# Altium PCB PrintNC_GRBLHAL_Breakout.pcbdoc (part 9 of 9)
Units mm, origin at the board's own origin, x right, y up, seen from the top; angles counter-clockwise.
Board outline 100 x 100 mm, 4 copper layers (Top Layer, GND, PWR, Bottom Layer), stack 0.603 mm thick; 296 components, 213 nets, 5829 pads, 410 vias.
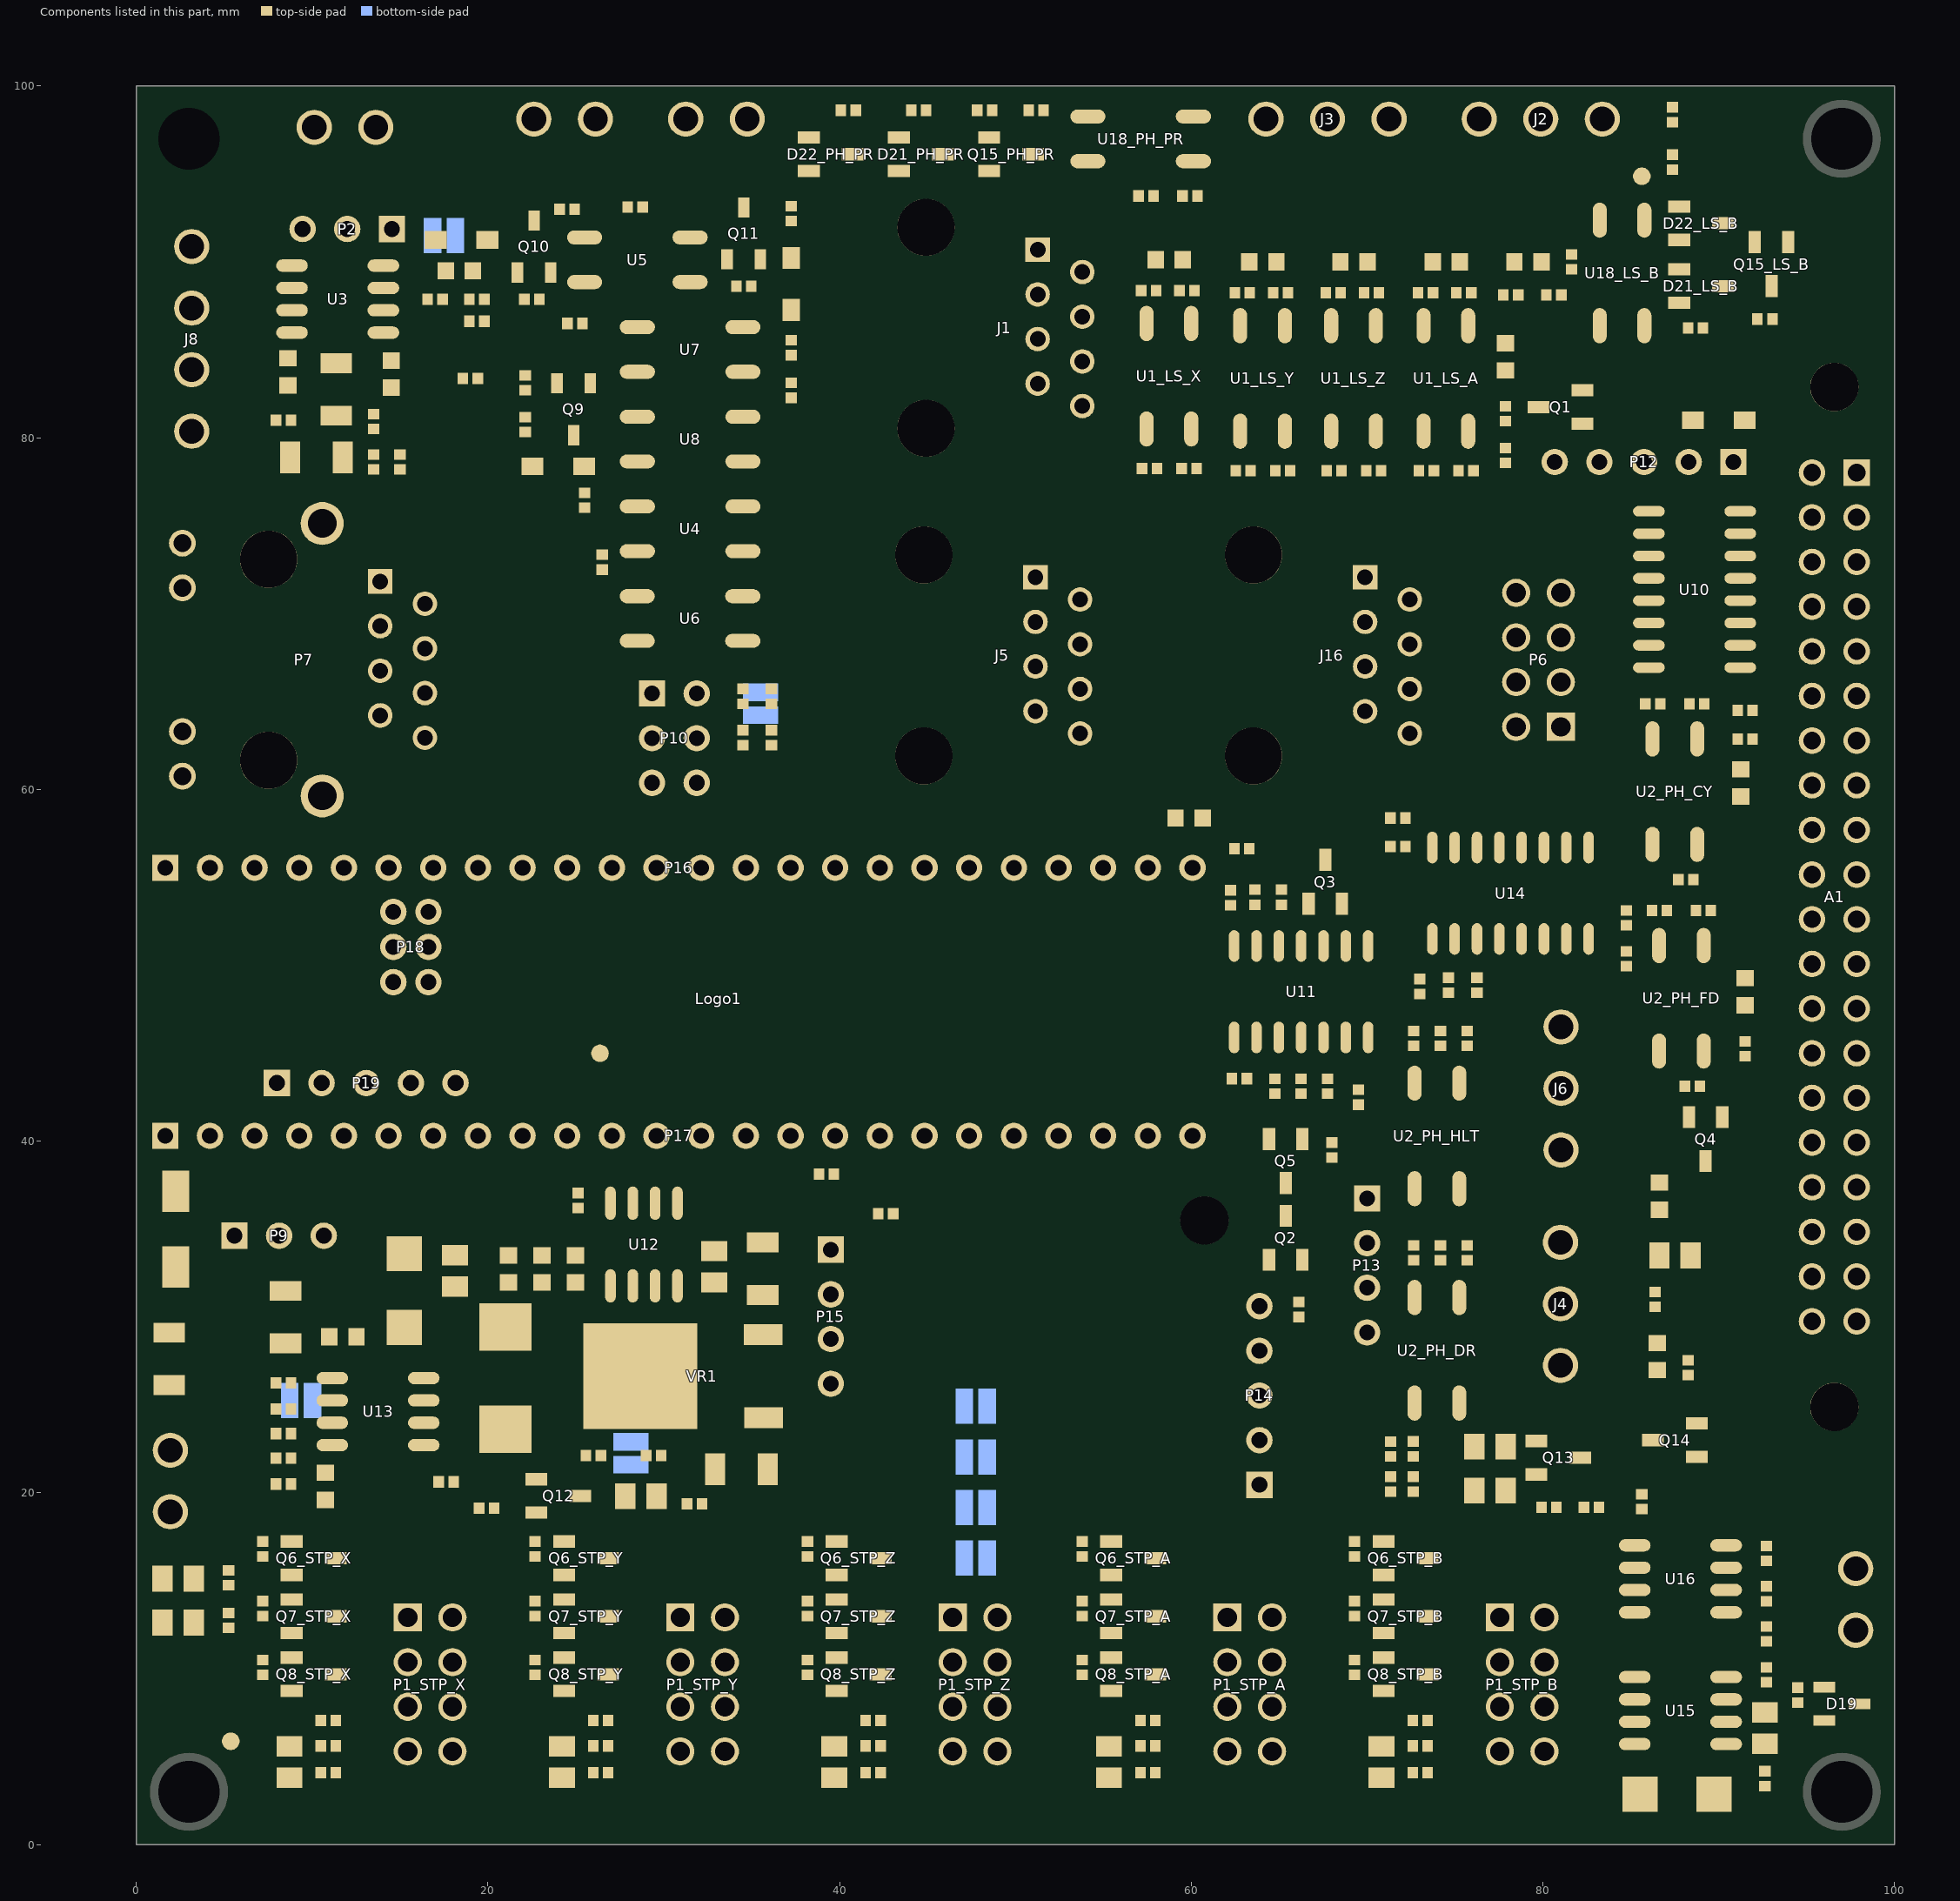
[diagram p11: the components of this part, seen from the top]

## Via types
v1: diameter 0.7, hole 0.35, Top Layer to Bottom Layer, tented both sides, 402 vias
v2: diameter 1.27, hole 0.711, Top Layer to Bottom Layer, tented both sides, 8 vias

## Nets (pads, with @x,y where several pads share a name; then routed paths per layer and width w, separated by ;. In a path a pad name is that pad's centre, name@x,y a point inside that pad or via, vN(x,y) a via of type N, cw(c..) or ccw(c..) an arc to the next point about the centre after c; other vN are vias at no path point) (continued)
pads on no net: Logo1.1_3767 Logo1.1_3768 Logo1.1_3769 Logo1.1_3770 Logo1.1_3771 Logo1.1_3772 Logo1.1_3773 Logo1.1_3774 Logo1.1_3775 Logo1.1_3776 Logo1.1_3777 Logo1.1_3778 Logo1.1_3779 Logo1.1_3780 Logo1.1_3781 Logo1.1_3782 Logo1.1_3783 Logo1.1_3784 Logo1.1_3785 Logo1.1_3786 Logo1.1_3787 Logo1.1_3788 Logo1.1_3789 Logo1.1_3790 Logo1.1_3791 Logo1.1_3792 Logo1.1_3793 Logo1.1_3794 Logo1.1_3795 Logo1.1_3796 Logo1.1_3797 Logo1.1_3798 Logo1.1_3799 Logo1.1_3800 Logo1.1_3801 Logo1.1_3802 Logo1.1_3803 Logo1.1_3804 Logo1.1_3805 Logo1.1_3806 Logo1.1_3807 Logo1.1_3808 Logo1.1_3809 Logo1.1_3810 Logo1.1_3811 Logo1.1_3812 Logo1.1_3813 Logo1.1_3814 Logo1.1_3815 Logo1.1_3816 Logo1.1_3817 Logo1.1_3818 Logo1.1_3819 Logo1.1_3820 Logo1.1_3821 Logo1.1_3822 Logo1.1_3823 Logo1.1_3824 Logo1.1_3825 Logo1.1_3826 Logo1.1_3827 Logo1.1_3828 Logo1.1_3829 Logo1.1_3830 Logo1.1_3831 Logo1.1_3832 Logo1.1_3833 Logo1.1_3834 Logo1.1_3835 Logo1.1_3836 Logo1.1_3837 Logo1.1_3838 Logo1.1_3839 Logo1.1_3840 Logo1.1_3841 Logo1.1_3842 Logo1.1_3843 Logo1.1_3844 Logo1.1_3845 Logo1.1_3846 Logo1.1_3847 Logo1.1_3848 Logo1.1_3849 Logo1.1_3850 Logo1.1_3851 Logo1.1_3852 Logo1.1_3853 Logo1.1_3854 Logo1.1_3855 Logo1.1_3856 Logo1.1_3857 Logo1.1_3858 Logo1.1_3859 Logo1.1_3860 Logo1.1_3861 Logo1.1_3862 Logo1.1_3863 Logo1.1_3864 Logo1.1_3865 Logo1.1_3866 Logo1.1_3867 Logo1.1_3868 Logo1.1_3869 Logo1.1_3870 Logo1.1_3871 Logo1.1_3872 Logo1.1_3873 Logo1.1_3874 Logo1.1_3875 Logo1.1_3876 Logo1.1_3877 Logo1.1_3878 Logo1.1_3879 Logo1.1_3880 Logo1.1_3881 Logo1.1_3882 Logo1.1_3883 Logo1.1_3884 Logo1.1_3885 Logo1.1_3886 Logo1.1_3887 Logo1.1_3888 Logo1.1_3889 Logo1.1_3890 Logo1.1_3891 Logo1.1_3892 Logo1.1_3893 Logo1.1_3894 Logo1.1_3895 Logo1.1_3896 Logo1.1_3897 Logo1.1_3898 Logo1.1_3899 Logo1.1_3900 Logo1.1_3901 Logo1.1_3902 Logo1.1_3903 Logo1.1_3904 Logo1.1_3905 Logo1.1_3906 Logo1.1_3907 Logo1.1_3908 Logo1.1_3909 Logo1.1_3910 Logo1.1_3911 Logo1.1_3912 Logo1.1_3913 Logo1.1_3914 Logo1.1_3915 Logo1.1_3916 Logo1.1_3917 Logo1.1_3918 Logo1.1_3919 Logo1.1_3920 Logo1.1_3921 Logo1.1_3922 Logo1.1_3923 Logo1.1_3924 Logo1.1_3925 Logo1.1_3926 Logo1.1_3927 Logo1.1_3928 Logo1.1_3929 Logo1.1_3930 Logo1.1_3931 Logo1.1_3932 Logo1.1_3933 Logo1.1_3934 Logo1.1_3935 Logo1.1_3936 Logo1.1_3937 Logo1.1_3938 Logo1.1_3939 Logo1.1_3940 Logo1.1_3941 Logo1.1_3942 Logo1.1_3943 Logo1.1_3944 Logo1.1_3945 Logo1.1_3946 Logo1.1_3947 Logo1.1_3948 Logo1.1_3949 Logo1.1_3950 Logo1.1_3951 Logo1.1_3952 Logo1.1_3953 Logo1.1_3954 Logo1.1_3955 Logo1.1_3956 Logo1.1_3957 Logo1.1_3958 Logo1.1_3959 Logo1.1_3960 Logo1.1_3961 Logo1.1_3962 Logo1.1_3963 Logo1.1_3964 Logo1.1_3965 Logo1.1_3966 Logo1.1_3967 Logo1.1_3968 Logo1.1_3969 Logo1.1_3970 Logo1.1_3971 Logo1.1_3972 Logo1.1_3973 Logo1.1_3974 Logo1.1_3975 Logo1.1_3976 Logo1.1_3977 Logo1.1_3978 Logo1.1_3979 Logo1.1_3980 Logo1.1_3981 Logo1.1_3982 Logo1.1_3983 Logo1.1_3984 Logo1.1_3985 Logo1.1_3986 Logo1.1_3987 Logo1.1_3988 Logo1.1_3989 Logo1.1_3990 Logo1.1_3991 Logo1.1_3992 Logo1.1_3993 Logo1.1_3994 Logo1.1_3995 Logo1.1_3996 Logo1.1_3997 Logo1.1_3998 Logo1.1_3999 Logo1.1_4000 Logo1.1_4001 Logo1.1_4002 Logo1.1_4003 Logo1.1_4004 Logo1.1_4005 Logo1.1_4006 Logo1.1_4007 Logo1.1_4008 Logo1.1_4009 Logo1.1_4010 Logo1.1_4011 Logo1.1_4012 Logo1.1_4013 Logo1.1_4014 Logo1.1_4015 Logo1.1_4016 Logo1.1_4017 Logo1.1_4018 Logo1.1_4019 Logo1.1_4020 Logo1.1_4021 Logo1.1_4022 Logo1.1_4023 Logo1.1_4024 Logo1.1_4025 Logo1.1_4026 Logo1.1_4027 Logo1.1_4028 Logo1.1_4029 Logo1.1_4030 Logo1.1_4031 Logo1.1_4032 Logo1.1_4033 Logo1.1_4034 Logo1.1_4035 Logo1.1_4036 Logo1.1_4037 Logo1.1_4038 Logo1.1_4039 Logo1.1_4040 Logo1.1_4041 Logo1.1_4042 Logo1.1_4043 Logo1.1_4044 Logo1.1_4045 Logo1.1_4046 Logo1.1_4047 Logo1.1_4048 Logo1.1_4049 Logo1.1_4050 Logo1.1_4051 Logo1.1_4052 Logo1.1_4053 Logo1.1_4054 Logo1.1_4055 Logo1.1_4056 Logo1.1_4057 Logo1.1_4058 Logo1.1_4059 Logo1.1_4060 Logo1.1_4061 Logo1.1_4062 Logo1.1_4063 Logo1.1_4064 Logo1.1_4065 Logo1.1_4066 Logo1.1_4067 Logo1.1_4068 Logo1.1_4069 Logo1.1_4070 Logo1.1_4071 Logo1.1_4072 Logo1.1_4073 Logo1.1_4074 Logo1.1_4075 Logo1.1_4076 Logo1.1_4077 Logo1.1_4078 Logo1.1_4079 Logo1.1_4080 Logo1.1_4081 Logo1.1_4082 Logo1.1_4083 Logo1.1_4084 Logo1.1_4085 Logo1.1_4086 Logo1.1_4087 Logo1.1_4088 Logo1.1_4089 Logo1.1_4090 Logo1.1_4091 Logo1.1_4092 Logo1.1_4093 Logo1.1_4094 Logo1.1_4095 Logo1.1_4096 Logo1.1_4097 Logo1.1_4098 Logo1.1_4099 Logo1.1_4100 Logo1.1_4101 Logo1.1_4102 Logo1.1_4103 Logo1.1_4104 Logo1.1_4105 Logo1.1_4106 Logo1.1_4107 Logo1.1_4108 Logo1.1_4109 Logo1.1_4110 Logo1.1_4111 Logo1.1_4112 Logo1.1_4113 Logo1.1_4114 Logo1.1_4115 Logo1.1_4116 Logo1.1_4117 Logo1.1_4118 Logo1.1_4119 Logo1.1_4120 Logo1.1_4121 Logo1.1_4122 Logo1.1_4123 Logo1.1_4124 Logo1.1_4125 Logo1.1_4126 Logo1.1_4127 Logo1.1_4128 Logo1.1_4129 Logo1.1_4130 Logo1.1_4131 Logo1.1_4132 Logo1.1_4133 Logo1.1_4134 Logo1.1_4135 Logo1.1_4136 Logo1.1_4137 Logo1.1_4138 Logo1.1_4139 Logo1.1_4140 Logo1.1_4141 Logo1.1_4142 Logo1.1_4143 Logo1.1_4144 Logo1.1_4145 Logo1.1_4146 Logo1.1_4147 Logo1.1_4148 Logo1.1_4149 Logo1.1_4150 Logo1.1_4151 Logo1.1_4152 Logo1.1_4153 Logo1.1_4154 Logo1.1_4155 Logo1.1_4156 Logo1.1_4157 Logo1.1_4158 Logo1.1_4159 Logo1.1_4160 Logo1.1_4161 Logo1.1_4162 Logo1.1_4163 Logo1.1_4164 Logo1.1_4165 Logo1.1_4166 Logo1.1_4167 Logo1.1_4168 Logo1.1_4169 Logo1.1_4170 Logo1.1_4171 Logo1.1_4172 Logo1.1_4173 Logo1.1_4174 Logo1.1_4175 Logo1.1_4176 Logo1.1_4177 Logo1.1_4178 Logo1.1_4179 Logo1.1_4180 Logo1.1_4181 Logo1.1_4182 Logo1.1_4183 Logo1.1_4184 Logo1.1_4185 Logo1.1_4186 Logo1.1_4187 Logo1.1_4188 Logo1.1_4189 Logo1.1_4190 Logo1.1_4191 Logo1.1_4192 Logo1.1_4193 Logo1.1_4194 Logo1.1_4195 Logo1.1_4196 Logo1.1_4197 Logo1.1_4198 Logo1.1_4199 Logo1.1_4200 Logo1.1_4201 Logo1.1_4202 Logo1.1_4203 Logo1.1_4204 Logo1.1_4205 Logo1.1_4206 Logo1.1_4207 Logo1.1_4208 Logo1.1_4209 Logo1.1_4210 Logo1.1_4211 Logo1.1_4212 Logo1.1_4213 Logo1.1_4214 Logo1.1_4215 Logo1.1_4216 Logo1.1_4217 Logo1.1_4218 Logo1.1_4219 Logo1.1_4220 Logo1.1_4221 Logo1.1_4222 Logo1.1_4223 Logo1.1_4224 Logo1.1_4225 Logo1.1_4226 Logo1.1_4227 Logo1.1_4228 Logo1.1_4229 Logo1.1_4230 Logo1.1_4231 Logo1.1_4232 Logo1.1_4233 Logo1.1_4234 Logo1.1_4235 Logo1.1_4236 Logo1.1_4237 Logo1.1_4238 Logo1.1_4239 Logo1.1_4240 Logo1.1_4241 Logo1.1_4242 Logo1.1_4243 Logo1.1_4244 Logo1.1_4245 Logo1.1_4246 Logo1.1_4247 Logo1.1_4248 Logo1.1_4249 Logo1.1_4250 Logo1.1_4251 Logo1.1_4252 Logo1.1_4253 Logo1.1_4254 Logo1.1_4255 Logo1.1_4256 Logo1.1_4257 Logo1.1_4258 Logo1.1_4259 Logo1.1_4260 Logo1.1_4261 Logo1.1_4262 Logo1.1_4263 Logo1.1_4264 Logo1.1_4265 Logo1.1_4266 Logo1.1_4267 Logo1.1_4268 Logo1.1_4269 Logo1.1_4270 Logo1.1_4271 Logo1.1_4272 Logo1.1_4273 Logo1.1_4274 Logo1.1_4275 Logo1.1_4276 Logo1.1_4277 Logo1.1_4278 Logo1.1_4279 Logo1.1_4280 Logo1.1_4281 Logo1.1_4282 Logo1.1_4283 Logo1.1_4284 Logo1.1_4285 Logo1.1_4286 Logo1.1_4287 Logo1.1_4288 Logo1.1_4289 Logo1.1_4290 Logo1.1_4291 Logo1.1_4292 Logo1.1_4293 Logo1.1_4294 Logo1.1_4295 Logo1.1_4296 Logo1.1_4297 Logo1.1_4298 Logo1.1_4299 Logo1.1_4300 Logo1.1_4301 Logo1.1_4302 Logo1.1_4303 Logo1.1_4304 Logo1.1_4305 Logo1.1_4306 Logo1.1_4307 Logo1.1_4308 Logo1.1_4309 Logo1.1_4310 Logo1.1_4311 Logo1.1_4312 Logo1.1_4313 Logo1.1_4314 Logo1.1_4315 Logo1.1_4316 Logo1.1_4317 Logo1.1_4318 Logo1.1_4319 Logo1.1_4320 Logo1.1_4321 Logo1.1_4322 Logo1.1_4323 Logo1.1_4324 Logo1.1_4325 Logo1.1_4326 Logo1.1_4327 Logo1.1_4328 Logo1.1_4329 Logo1.1_4330 Logo1.1_4331 Logo1.1_4332 Logo1.1_4333 Logo1.1_4334 Logo1.1_4335 Logo1.1_4336 Logo1.1_4337 Logo1.1_4338 Logo1.1_4339 Logo1.1_4340 Logo1.1_4341 Logo1.1_4342 Logo1.1_4343 Logo1.1_4344 Logo1.1_4345 Logo1.1_4346 Logo1.1_4347 Logo1.1_4348 Logo1.1_4349 Logo1.1_4350 Logo1.1_4351 Logo1.1_4352 Logo1.1_4353 Logo1.1_4354 Logo1.1_4355 Logo1.1_4356 Logo1.1_4357 Logo1.1_4358 Logo1.1_4359 Logo1.1_4360 Logo1.1_4361 Logo1.1_4362 Logo1.1_4363 Logo1.1_4364 Logo1.1_4365 Logo1.1_4366 Logo1.1_4367 Logo1.1_4368 Logo1.1_4369 Logo1.1_4370 Logo1.1_4371 Logo1.1_4372 Logo1.1_4373 Logo1.1_4374 Logo1.1_4375 Logo1.1_4376 Logo1.1_4377 Logo1.1_4378 Logo1.1_4379 Logo1.1_4380 Logo1.1_4381 Logo1.1_4382 Logo1.1_4383 Logo1.1_4384 Logo1.1_4385 Logo1.1_4386 Logo1.1_4387 Logo1.1_4388 Logo1.1_4389 Logo1.1_4390 Logo1.1_4391 Logo1.1_4392 Logo1.1_4393 Logo1.1_4394 Logo1.1_4395 Logo1.1_4396 Logo1.1_4397 Logo1.1_4398 Logo1.1_4399 Logo1.1_4400 Logo1.1_4401 Logo1.1_4402 Logo1.1_4403 Logo1.1_4404 Logo1.1_4405 Logo1.1_4406 Logo1.1_4407 Logo1.1_4408 Logo1.1_4409 Logo1.1_4410 Logo1.1_4411 Logo1.1_4412 Logo1.1_4413 Logo1.1_4414 Logo1.1_4415 Logo1.1_4416 Logo1.1_4417 Logo1.1_4418 Logo1.1_4419 Logo1.1_4420 Logo1.1_4421 Logo1.1_4422 Logo1.1_4423 Logo1.1_4424 Logo1.1_4425 Logo1.1_4426 Logo1.1_4427 Logo1.1_4428 Logo1.1_4429 Logo1.1_4430 Logo1.1_4431 Logo1.1_4432 Logo1.1_4433 Logo1.1_4434 Logo1.1_4435 Logo1.1_4436 Logo1.1_4437 Logo1.1_4438 Logo1.1_4439 Logo1.1_4440 Logo1.1_4441 Logo1.1_4442 Logo1.1_4443 Logo1.1_4444 Logo1.1_4445 Logo1.1_4446 Logo1.1_4447 Logo1.1_4448 Logo1.1_4449 Logo1.1_4450 Logo1.1_4451 Logo1.1_4452 Logo1.1_4453 Logo1.1_4454 Logo1.1_4455 Logo1.1_4456 Logo1.1_4457 Logo1.1_4458 Logo1.1_4459 Logo1.1_4460 Logo1.1_4461 Logo1.1_4462 Logo1.1_4463 Logo1.1_4464 Logo1.1_4465 Logo1.1_4466 Logo1.1_4467 Logo1.1_4468 Logo1.1_4469 Logo1.1_4470 Logo1.1_4471 Logo1.1_4472 Logo1.1_4473 Logo1.1_4474 Logo1.1_4475 Logo1.1_4476 Logo1.1_4477 Logo1.1_4478 Logo1.1_4479 Logo1.1_4480 Logo1.1_4481 Logo1.1_4482 Logo1.1_4483 Logo1.1_4484 Logo1.1_4485 Logo1.1_4486 Logo1.1_4487 Logo1.1_4488 Logo1.1_4489 Logo1.1_4490 Logo1.1_4491 Logo1.1_4492 Logo1.1_4493 Logo1.1_4494 Logo1.1_4495 Logo1.1_4496 Logo1.1_4497 Logo1.1_4498 Logo1.1_4499 Logo1.1_4500 Logo1.1_4501 Logo1.1_4502 Logo1.1_4503 Logo1.1_4504 Logo1.1_4505 Logo1.1_4506 Logo1.1_4507 Logo1.1_4508 Logo1.1_4509 Logo1.1_4510 Logo1.1_4511 Logo1.1_4512 Logo1.1_4513 Logo1.1_4514 Logo1.1_4515 Logo1.1_4516 Logo1.1_4517 Logo1.1_4518 Logo1.1_4519 Logo1.1_4520 Logo1.1_4521 Logo1.1_4522 Logo1.1_4523 Logo1.1_4524 Logo1.1_4525 Logo1.1_4526 Logo1.1_4527 Logo1.1_4528 Logo1.1_4529 Logo1.1_4530 Logo1.1_4531 Logo1.1_4532 Logo1.1_4533 Logo1.1_4534 Logo1.1_4535 Logo1.1_4536 Logo1.1_4537 Logo1.1_4538 Logo1.1_4539 Logo1.1_4540 Logo1.1_4541 Logo1.1_4542 Logo1.1_4543 Logo1.1_4544 Logo1.1_4545 Logo1.1_4546 Logo1.1_4547 Logo1.1_4548 Logo1.1_4549 Logo1.1_4550 Logo1.1_4551 Logo1.1_4552 Logo1.1_4553 Logo1.1_4554 Logo1.1_4555 Logo1.1_4556 Logo1.1_4557 Logo1.1_4558 Logo1.1_4559 Logo1.1_4560 Logo1.1_4561 Logo1.1_4562 Logo1.1_4563 Logo1.1_4564 Logo1.1_4565 Logo1.1_4566 Logo1.1_4567 Logo1.1_4568 Logo1.1_4569 Logo1.1_4570 Logo1.1_4571 Logo1.1_4572 Logo1.1_4573 Logo1.1_4574 Logo1.1_4575 Logo1.1_4576 Logo1.1_4577 Logo1.1_4578 Logo1.1_4579 Logo1.1_4580 Logo1.1_4581 Logo1.1_4582 Logo1.1_4583 Logo1.1_4584 Logo1.1_4585 Logo1.1_4586 Logo1.1_4587 Logo1.1_4588 Logo1.1_4589 Logo1.1_4590 Logo1.1_4591 Logo1.1_4592 Logo1.1_4593 Logo1.1_4594 Logo1.1_4595 Logo1.1_4596 Logo1.1_4597 Logo1.1_4598 Logo1.1_4599 Logo1.1_4600 Logo1.1_4601 Logo1.1_4602 Logo1.1_4603 Logo1.1_4604 Logo1.1_4605 Logo1.1_4606 Logo1.1_4607 Logo1.1_4608 Logo1.1_4609 Logo1.1_4610 Logo1.1_4611 Logo1.1_4612 Logo1.1_4613 Logo1.1_4614 Logo1.1_4615 Logo1.1_4616 Logo1.1_4617 Logo1.1_4618 Logo1.1_4619 Logo1.1_4620 Logo1.1_4621 Logo1.1_4622 Logo1.1_4623 Logo1.1_4624 Logo1.1_4625 Logo1.1_4626 Logo1.1_4627 Logo1.1_4628 Logo1.1_4629 Logo1.1_4630 Logo1.1_4631 Logo1.1_4632 Logo1.1_4633 Logo1.1_4634 Logo1.1_4635 Logo1.1_4636 Logo1.1_4637 Logo1.1_4638 Logo1.1_4639 Logo1.1_4640 Logo1.1_4641 Logo1.1_4642 Logo1.1_4643 Logo1.1_4644 Logo1.1_4645 Logo1.1_4646 Logo1.1_4647 Logo1.1_4648 Logo1.1_4649 Logo1.1_4650 Logo1.1_4651 Logo1.1_4652 Logo1.1_4653 Logo1.1_4654 Logo1.1_4655 Logo1.1_4656 Logo1.1_4657 Logo1.1_4658 Logo1.1_4659 Logo1.1_4660 Logo1.1_4661 Logo1.1_4662 Logo1.1_4663 Logo1.1_4664 Logo1.1_4665 Logo1.1_4666 Logo1.1_4667 Logo1.1_4668 Logo1.1_4669 Logo1.1_4670 Logo1.1_4671 Logo1.1_4672 Logo1.1_4673 Logo1.1_4674 Logo1.1_4675 Logo1.1_4676 Logo1.1_4677 Logo1.1_4678 Logo1.1_4679 Logo1.1_4680 Logo1.1_4681 Logo1.1_4682 Logo1.1_4683 Logo1.1_4684 Logo1.1_4685 Logo1.1_4686 Logo1.1_4687 Logo1.1_4688 Logo1.1_4689 Logo1.1_4690 Logo1.1_4691 Logo1.1_4692 Logo1.1_4693 Logo1.1_4694 Logo1.1_4695 Logo1.1_4696 Logo1.1_4697 Logo1.1_4698 Logo1.1_4699 Logo1.1_4700 Logo1.1_4701 Logo1.1_4702 Logo1.1_4703 Logo1.1_4704 Logo1.1_4705 Logo1.1_4706 Logo1.1_4707 Logo1.1_4708 Logo1.1_4709 Logo1.1_4710 Logo1.1_4711 Logo1.1_4712 Logo1.1_4713 Logo1.1_4714 Logo1.1_4715 Logo1.1_4716 Logo1.1_4717 Logo1.1_4718 Logo1.1_4719 Logo1.1_4720 Logo1.1_4721 Logo1.1_4722 Logo1.1_4723 Logo1.1_4724 Logo1.1_4725 Logo1.1_4726 Logo1.1_4727 Logo1.1_4728 Logo1.1_4729 Logo1.1_4730 Logo1.1_4731 Logo1.1_4732 Logo1.1_4733 Logo1.1_4734 Logo1.1_4735 Logo1.1_4736 Logo1.1_4737 Logo1.1_4738 Logo1.1_4739 Logo1.1_4740 Logo1.1_4741 Logo1.1_4742 Logo1.1_4743 Logo1.1_4744 Logo1.1_4745 Logo1.1_4746 Logo1.1_4747 Logo1.1_4748 Logo1.1_4749 Logo1.1_4750 Logo1.1_4751 Logo1.1_4752 Logo1.1_4753 Logo1.1_4754 Logo1.1_4755 Logo1.1_4756 Logo1.1_4757 Logo1.1_4758 Logo1.1_4759 Logo1.1_4760 Logo1.1_4761 Logo1.1_4762 Logo1.1_4763 Logo1.1_4764 Logo1.1_4765 Logo1.1_4766 Logo1.1_4767 Logo1.1_4768 Logo1.1_4769 Logo1.1_4770 Logo1.1_4771 Logo1.1_4772 Logo1.1_4773 Logo1.1_4774 Logo1.1_4775 Logo1.1_4776 Logo1.1_4777 Logo1.1_4778 Logo1.1_4779 Logo1.1_4780 Logo1.1_4781 Logo1.1_4782 Logo1.1_4783 Logo1.1_4784 Logo1.1_4785 Logo1.1_4786 Logo1.1_4787 Logo1.1_4788 Logo1.1_4789 Logo1.1_4790 Logo1.1_4791 Logo1.1_4792 Logo1.1_4793 Logo1.1_4794 Logo1.1_4795 Logo1.1_4796 Logo1.1_4797 Logo1.1_4798 Logo1.1_4799 Logo1.1_4800 Logo1.1_4801 Logo1.1_4802 Logo1.1_4803 Logo1.1_4804 Logo1.1_4805 Logo1.1_4806 Logo1.1_4807 Logo1.1_4808 Logo1.1_4809 Logo1.1_4810 Logo1.1_4811 Logo1.1_4812 Logo1.1_4813 Logo1.1_4814 Logo1.1_4815 Logo1.1_4816 Logo1.1_4817 Logo1.1_4818 Logo1.1_4819 Logo1.1_4820 Logo1.1_4821 Logo1.1_4822 Logo1.1_4823 Logo1.1_4824 Logo1.1_4825 Logo1.1_4826 Logo1.1_4827 Logo1.1_4828 Logo1.1_4829 Logo1.1_4830 Logo1.1_4831 Logo1.1_4832 Logo1.1_4833 Logo1.1_4834 Logo1.1_4835 Logo1.1_4836 Logo1.1_4837 Logo1.1_4838 Logo1.1_4839 Logo1.1_4840 Logo1.1_4841 Logo1.1_4842 Logo1.1_4843 Logo1.1_4844 Logo1.1_4845 Logo1.1_4846 Logo1.1_4847 Logo1.1_4848 Logo1.1_4849 Logo1.1_4850 Logo1.1_4851 Logo1.1_4852 Logo1.1_4853 Logo1.1_4854 Logo1.1_4855 Logo1.1_4856 Logo1.1_4857 Logo1.1_4858 Logo1.1_4859 Logo1.1_4860 Logo1.1_4861 Logo1.1_4862 Logo1.1_4863 Logo1.1_4864 Logo1.1_4865 Logo1.1_4866 Logo1.1_4867 Logo1.1_4868 Logo1.1_4869 Logo1.1_4870 Logo1.1_4871 Logo1.1_4872 Logo1.1_4873 Logo1.1_4874 Logo1.1_4875 Logo1.1_4876 Logo1.1_4877 Logo1.1_4878 Logo1.1_4879 Logo1.1_4880 Logo1.1_4881 Logo1.1_4882 Logo1.1_4883 Logo1.1_4884 Logo1.1_4885 Logo1.1_4886 Logo1.1_4887 Logo1.1_4888 Logo1.1_4889 Logo1.1_4890 Logo1.1_4891 Logo1.1_4892 Logo1.1_4893 Logo1.1_4894 Logo1.1_4895 Logo1.1_4896 Logo1.1_4897 Logo1.1_4898 Logo1.1_4899 Logo1.1_4900 Logo1.1_4901 Logo1.1_4902 Logo1.1_4903 Logo1.1_4904 Logo1.1_4905 Logo1.1_4906 Logo1.1_4907 Logo1.1_4908 Logo1.1_4909 Logo1.1_4910 Logo1.1_4911 Logo1.1_4912 Logo1.1_4913 Logo1.1_4914 Logo1.1_4915 P7. P7.7 P7.11 P7.12 P7._1 P14.2 P16.3 P19.2 P19.3 U10.5 U10.6 U10.7 U10.10 U10.11 U10.12 U14.13 U14.14 U14.15

## Polygon pours and split planes (outlines as drawn)
GND on Top Layer "GND_L01_P067" (solid, remove dead copper, pour order 67): 0,0 0,100 100,100 100,0
SPIN_GND on Top Layer "NONET_L-01_P-001" (solid, remove dead copper, pour order 39): 30.48,72.688 30.48,82.009 30.48,86.241 21.23,95.491 21.23,101.009 20.73,101.509 20.48,101.259 0.23,101.259 0.23,81.52 4.25,77.5 22.739,77.5 27.551,72.688
STEPPER_VCC on Top Layer "NONET_L-01_P-001" (solid, remove dead copper, pour order 66): 71.603,6.625 71.603,5.625 70.478,5.625 68.853,4 68.853,-1.25 78.978,-1.25 78.978,13 78.228,13.75 75.603,13.75 75.603,10.625
STEPPER_VCC on Top Layer "NONET_L-01_P-001" (solid, remove dead copper, pour order 65): 56.109,6.625 56.109,5.625 54.984,5.625 53.359,4 53.359,-1.25 63.484,-1.25 63.484,13 62.734,13.75 60.109,13.75 60.109,10.625
STEPPER_VCC on Top Layer "NONET_L-01_P-001" (solid, remove dead copper, pour order 64): 40.488,6.625 40.488,5.625 39.363,5.625 37.738,4 37.738,-1.25 47.863,-1.25 47.863,13 47.113,13.75 44.488,13.75 44.488,10.625
STEPPER_VCC on Top Layer "NONET_L-01_P-001" (solid, remove dead copper, pour order 63): 24.994,6.625 24.994,5.625 23.869,5.625 22.244,4 22.244,-1.25 32.369,-1.25 32.369,13 31.619,13.75 28.994,13.75 28.994,10.625
STEPPER_VCC on Top Layer "NONET_L-01_P-001" (solid, remove dead copper, pour order 54): 9.5,6.625 9.5,5.625 8.375,5.625 6.75,4 6.75,-1.25 16.875,-1.25 16.875,13 16.125,13.75 13.5,13.75 13.5,10.625
+5V on Top Layer "NONET_L-01_P-001" (solid, remove dead copper, pour order 51): 22.125,24.25 18.125,28.25 18.125,32.375 25.75,32.375 25.75,24.875 25.125,24.25
+24V on Top Layer "NONET_L-01_P-001" (solid, remove dead copper, pour order 47): 5,29 6.75,30.75 7.875,29.625 11.5,29.625 12.221,28.904 12.221,24.875 9.75,24.875 8.25,26.375 7.125,26.375 5,26.375
+12V on Top Layer "NONET_L-01_P-001" (solid, remove dead copper, pour order 46): 33.099,32.099 32.625,31.625 32.625,27.375 34.5,25.5 37.75,25.5 38.25,26 38.25,31 37.151,32.099
+12V on PWR "NONET_L-01_P-001" (solid, remove dead copper, pour order 62): -0.5,102 100.625,102 100.625,-1.5 -0.75,-1.5 -1.25,-2
+5V on PWR "NONET_L-01_P-001" (solid, remove dead copper, pour order 58): -0.566,85.75 64.75,85.75 79.75,70.75 79.75,19.875 -4.295,19.875
STEPPER_VCC on PWR "NONET_L-01_P-001" (solid, remove dead copper, pour order 45): -0.603,13.25 82.125,13.25 83.5,11.875 83.5,-1.125 -1,-1.125 -1.125,-1.25
+12V on PWR "NONET_L-01_P-001" (solid, remove dead copper, pour order 40): 15.125,19.375 18.25,22.5 27.312,22.5 32.687,27.875 38,27.875 46.5,19.375
+3.3V on PWR "NONET_L-01_P-001" (solid, remove dead copper, pour order 56): 55.375,59.829 59.829,59.829 72.344,47.313 70.875,35.875 56,34.25 25.375,34.625 26,39.5
SPINDLE_PWR_12V on PWR "NONET_L-01_P-001" (solid, remove dead copper, pour order 49): 28.625,74.886 28.625,90.031 23.906,94.75 11,94.75 11,74.886 25.353,74.886
STEPPER_VCC on PWR "NONET_L-01_P-001" (solid, remove dead copper, pour order 44): 17.5,18 17.5,9.624 17.642,9.482 18.443,9.482 20.125,11.164 20.125,18
GND on Bottom Layer "GND_L04_P061" (solid, remove dead copper, pour order 61): 0,0 0,101.6 100,101.6 100,0
SPIN_GND on Bottom Layer "NONET_L-01_P-001" (solid, remove dead copper, pour order 59): 30.48,73.625 30.48,82.77 21.23,92.02 21.23,101.009 20.73,101.509 20.48,101.259 0.23,101.259 0.23,75.009 0.48,74.759 25.48,74.759 26.614,73.625
RELAY_VCC on Bottom Layer "NONET_L-01_P-001" (solid, remove dead copper, pour order 34): 6.625,33.875 4.625,35.875 4.625,66.125 14.375,75.875 21,75.875 21,74.5 10,63.5 10,34.704 9.171,33.875
GND on GND "GND_L02_P033" (solid, remove dead copper, pour order 33): 0,0 0,101.6 127,101.6 127,0
SPIN_GND on GND "NONET_L-01_P-001" (solid, remove dead copper, pour order 32): 29.174,72.875 29.174,89.534 21.23,97.478 21.23,101.009 20.73,101.509 20.48,101.259 0.23,101.259 0.23,75.009 0.48,74.759 24.741,74.759 26.625,72.875

## Silkscreen, mask and mechanical layers (free items; w line width, h text height)
Top Overlay:
  circle w0.254: c74.875,92.75 r1
  circle w0.254: c65.125,92.75 r1
  circle w0.254: c79.375,92.875 r1
  circle w0.254: c61.625,92.5 r1
  circle w0.254: c69.375,92.75 r1
  circle w0.254: c70.625,1.5 r1
  circle w0.254: c55.25,1.5 r1
  circle w0.254: c39.375,1.625 r1
  circle w0.254: c24.125,1.5 r1
  circle w0.254: c8.125,1.5 r1
  lines w0.254: 20,58.875 24.5,58.875 24.5,69.375 20,69.375 20,58.875
  text "GND" at 16.375,98.875 h1.52 r270
  text "SPN_PWR" at 0.375,98.5 h1.52
  text "12V" at 5.125,94.375 h1.5
  text "Z" at 69.746,93.371 h1.27 r180
  text "MIST" at 30,92.77 h1.91
  text "FLD" at 19.25,92.625 h1.91
  text "5V" at 16.125,92.266 h1.5
  text "A" at 74.504,92.254 h1.27
  text "B" at 79.004,92.254 h1.27
  text "Y" at 64.754,92.129 h1.27
  text "X" at 61.254,91.879 h1.27
  text "PROBE" at 79,83.402 h2.54
  text "PI_IO" at 83.5,80.125 h1.78
  text "AXIS LIMITS" at 41.25,77 h1.78
  text "AUX RELAYS" at 73.875,71.75 h1.78 r270
  text "2" at 22.75,71.125 h1.52 r270
  text "1" at 19.75,70.875 h1.52 r270
  text "STEPPER PINS" at 18.5,69.875 h1.78 r270
  text "VC" at 20.5,69 h1.52 r270
  text "ST" at 22.75,69 h1.52 r270
  text "QEI" at 55.5,68.75 h1.78 r270
  text "VC" at 20.5,66.5 h1.52 r270
  text "DR" at 22.75,66.25 h1.52 r270
  text "VC" at 20.5,64 h1.52 r270
  text "EN" at 22.75,63.5 h1.52 r270
  text "GD" at 20.5,61.5 h1.52 r270
  text "AL" at 22.75,61 h1.52 r270
  text "7" at 20,58.625 h1.52 r270
  text "8" at 22.5,58.625 h1.52 r270
  text "USER SWITCH" at 40.375,58.375 h1.78
  text "FD/HLD" at 90.902,58.25 h2.54 r270
  text "CYC/ST" at 62.125,57.655 h2.54
  text "HALT" at 87.5,36.875 h2.54 r315
  text "5V" at 9.375,36.277 h2.54
  text "24V" at 3.748,36.25 h2.54
  text "RELAY_VCC" at 12.75,36.25 h1.78
  text "QWIIC" at 45,35.25 h1.78
  text "12-24V" at 4.625,32.375 h2.54 r270
  text "DOOR" at 87.269,30.769 h2.54 r315
  text "5V" at 1,10.02 h1.91
  text "RS485" at 98.75,9.5 h1.78 r270
  text "12V" at 0.75,8.5 h1.91
  text "Z" at 38.754,1.996 h1.27 r270
  text "X" at 7.504,1.871 h1.27 r270
  text "Y" at 23.504,1.871 h1.27 r270
  text "A" at 54.629,1.871 h1.27 r270
  text "B" at 70.004,1.871 h1.27 r270
Bottom Overlay:
  drawing of 679 lines, arcs and shapes, not listed
  text "12V" at 8.603,99.511 h1.52 r180
  text "GND" at 12.103,99.511 h1.52 r180
  text "GND" at 20.853,96.636 h1.52 r180
  text "GND" at 29.874,96.636 h1.52 r180
  text "SIG" at 24.603,96.62 h1.52 r180
  text "SIG" at 33.624,96.62 h1.52 r180
  text "GND" at 63.387,96.531 h1.52 r180
  text "GND" at 63.387,96.531 h1.52 r180
  text "SIG" at 67.137,96.515 h1.52 r180
  text "SIG" at 67.137,96.515 h1.52 r180
  text "12V" at 70.637,96.531 h1.52 r180
  text "12V" at 70.637,96.531 h1.52 r180
  text "GND" at 75.637,96.531 h1.52 r180
  text "GND" at 75.637,96.531 h1.52 r180
  text "SIG" at 79.387,96.515 h1.52 r180
  text "SIG" at 79.387,96.515 h1.52 r180
  text "12V" at 82.887,96.531 h1.52 r180
  text "12V" at 82.887,96.531 h1.52 r180
  text "SPIN_PWR" at 6.125,95.298 h2.54 r180
  text "FLOOD" at 20.5,94.723 h2.54 r180
  text "MIST" at 30.75,94.598 h2.54 r180
  text "B AXIS LIMITS" at 66.875,94.598 h2.54 r180
  text "PWM CUT" at 18.875,91.234 h1.52 r180
  text "GND" at 5.5,91.109 h1.52 r180
  text "SPINDLE SPEED" at 5,87.859 h1.52 r180
  text "SPINDLE DIRECTION" at 4.75,84.234 h1.52 r180
  text "SPINDLE ENABLE" at 5.375,80.734 h1.52 r180
  text "QUAD_JMP" at 40.125,62.396 h1.52
  text "PCB_REV '.VarRevNo'" at 9.75,56.876 h1.52
  text "Expatria" at 41.393,47.648 h2.54
  text "12V" at 78.875,47.375 h1.52 r90
  text "HALT" at 77.098,46 h2.54 r90
  text "SIG" at 78.89,44.113 h1.52 r90
  text "Technologies" at 35.034,43.708 h1.52
  text "Licensed under CERN-OHL-P v2" at 65.25,41.513 h1.27
  text "GND" at 78.875,41 h1.52 r90
  text "12V" at 78.875,35.25 h1.52 r90
  text "DOOR" at 77.098,34.625 h2.54 r90
  text "SIG" at 78.87,31.876 h1.52 r90
  text "GND" at 78.875,28.875 h1.52 r90
  text "STEP ALARM POLARITY" at 36.75,23.891 h1.52
  text "+12-24V" at 11.625,21.75 h2.54
  text "DOOR" at 52.136,21.011 h1.52 r315
  text "STEP ALARM SELECT" at 46,19.141 h1.52
  text "FD/HLD" at 52.511,18.386 h1.52 r315
  text "GND" at 7.875,17.777 h2.54
  text "HALT" at 51.625,16.625 h1.52 r315
  text "B" at 96.375,16.375 h2.54 r90
  text "B_LIM" at 51.942,13.692 h1.52 r315
  text "A" at 96.5,12.877 h2.54 r90
Bottom Solder:
  region: 7.504,1.323 7.474,0.723 7.597,0.723 7.566,1.312 cw(c7.634,1.311) 7.623,1.379 cw(c7.629,1.226) 7.642,1.378 8.227,1.276 8.148,1.494 cw(c8.229,1.516) 8.146,1.509 cw(c8.19,1.509) 8.162,1.544 8.804,2.063 8.659,2.131 cw(c8.678,2.171) 8.634,2.171 cw(c8.678,2.171) 8.636,2.185 8.763,2.575 8.393,2.496 cw(c8.388,2.547) 8.343,2.522 8.272,2.691 7.983,2.381 cw(c7.951,2.412) 7.951,2.367 cw(c7.952,2.413) 7.907,2.406 cw(c8.253,2.401) 7.908,2.42 8.047,3.137 7.824,3.008 cw(c7.801,3.047) 7.801,3.002 cw(c7.801,3.047) 7.762,3.027 7.535,3.472 7.309,3.027 cw(c7.269,3.047) 7.269,3.002 cw(c7.269,3.047) 7.247,3.008 7.024,3.137 7.163,2.42 cw(c7.113,2.416) 7.125,2.368 cw(c7.122,2.418) 7.087,2.381 6.799,2.691 6.727,2.522 cw(c6.686,2.54) 6.686,2.495 6.308,2.575 6.435,2.185 cw(c6.392,2.171) 6.437,2.171 cw(c6.392,2.171) 6.411,2.131 6.267,2.063 6.909,1.544 cw(c6.881,1.509) 6.925,1.509 cw(c6.881,1.509) 6.922,1.494 6.843,1.276 7.429,1.378 cw(c7.453,1.099) 7.443,1.379 cw(c7.44,1.315)
  text "Designed in Canada" at 29.875,1.108 h2.54
Mechanical 6:
  the board outline again, w0.254
Mechanical 15:
  lines w0.254: 29.659,72.041 29.659,74.581 ; 35.636,74.537 55.956,74.537 ; 35.636,77.077 55.956,77.077 ; 45.351,76.911 47.891,76.911 ; 47.57,63.007 48.204,62.372 ; 47.891,74.371 45.351,74.371 ; 58.496,74.537 78.816,74.537 ; 58.496,77.077 78.816,77.077 ; 78.816,26.278 78.816,71.997 ; 83.896,26.912 83.896,71.997 ; 218.44,155.746 218.44,158.286 218.44,158.286 ; 29.659,74.581 29.659,74.581 ; 45.351,74.371 45.351,74.371 ; 11.879,72.042 11.879,74.582 11.879,74.581 27.119,74.581 27.119,74.581 27.119,72.042 11.879,72.042

## Text inside footprints (layer, text, board x,y; h text height)
A1: Top Overlay "1" at 99.375,83.125 h1.02 r90
P1_STP_A: Top Overlay "1" at 61.524,14.478 h1.02 r270; Top Overlay "2" at 64.064,14.778 h1.02 r270; Top Overlay "7" at 61.584,4.038 h1.02 r270; Top Overlay "8" at 64.124,4.038 h1.02 r270
P1_STP_B: Top Overlay "1" at 77.018,14.478 h1.02 r270; Top Overlay "2" at 79.558,14.778 h1.02 r270; Top Overlay "7" at 77.078,4.038 h1.02 r270; Top Overlay "8" at 79.618,4.038 h1.02 r270
P1_STP_X: Top Overlay "1" at 14.915,14.478 h1.02 r270; Top Overlay "2" at 17.455,14.778 h1.02 r270; Top Overlay "7" at 14.975,4.038 h1.02 r270; Top Overlay "8" at 17.515,4.038 h1.02 r270
P1_STP_Y: Top Overlay "1" at 30.409,14.478 h1.02 r270; Top Overlay "2" at 32.949,14.778 h1.02 r270; Top Overlay "7" at 30.469,4.038 h1.02 r270; Top Overlay "8" at 33.009,4.038 h1.02 r270
P1_STP_Z: Top Overlay "1" at 45.903,14.478 h1.02 r270; Top Overlay "2" at 48.443,14.778 h1.02 r270; Top Overlay "7" at 45.963,4.038 h1.02 r270; Top Overlay "8" at 48.503,4.038 h1.02 r270
P6: Top Overlay "8" at 78.95,72.445 h1.02 r90; Top Overlay "7" at 81.49,72.445 h1.02 r90; Top Overlay "2" at 79.01,61.705 h1.02 r90; Top Overlay "1" at 81.55,62.005 h1.02 r90
P10: Top Overlay "1" at 28.827,67.492 h1.27 r270; Top Overlay "2" at 31.367,68 h1.27 r270; Top Overlay "5" at 28.827,58.856 h1.27 r270; Top Overlay "6" at 31.367,58.856 h1.27 r270
P18: Top Overlay "1" at 17.129,47.015 h1.27 r90; Top Overlay "2" at 14.921,46.947 h1.27 r90; Top Overlay "5" at 17.121,54.547 h1.27 r90; Top Overlay "6" at 14.871,54.547 h1.27 r90